# Altium PCB main.PcbDoc (continued)
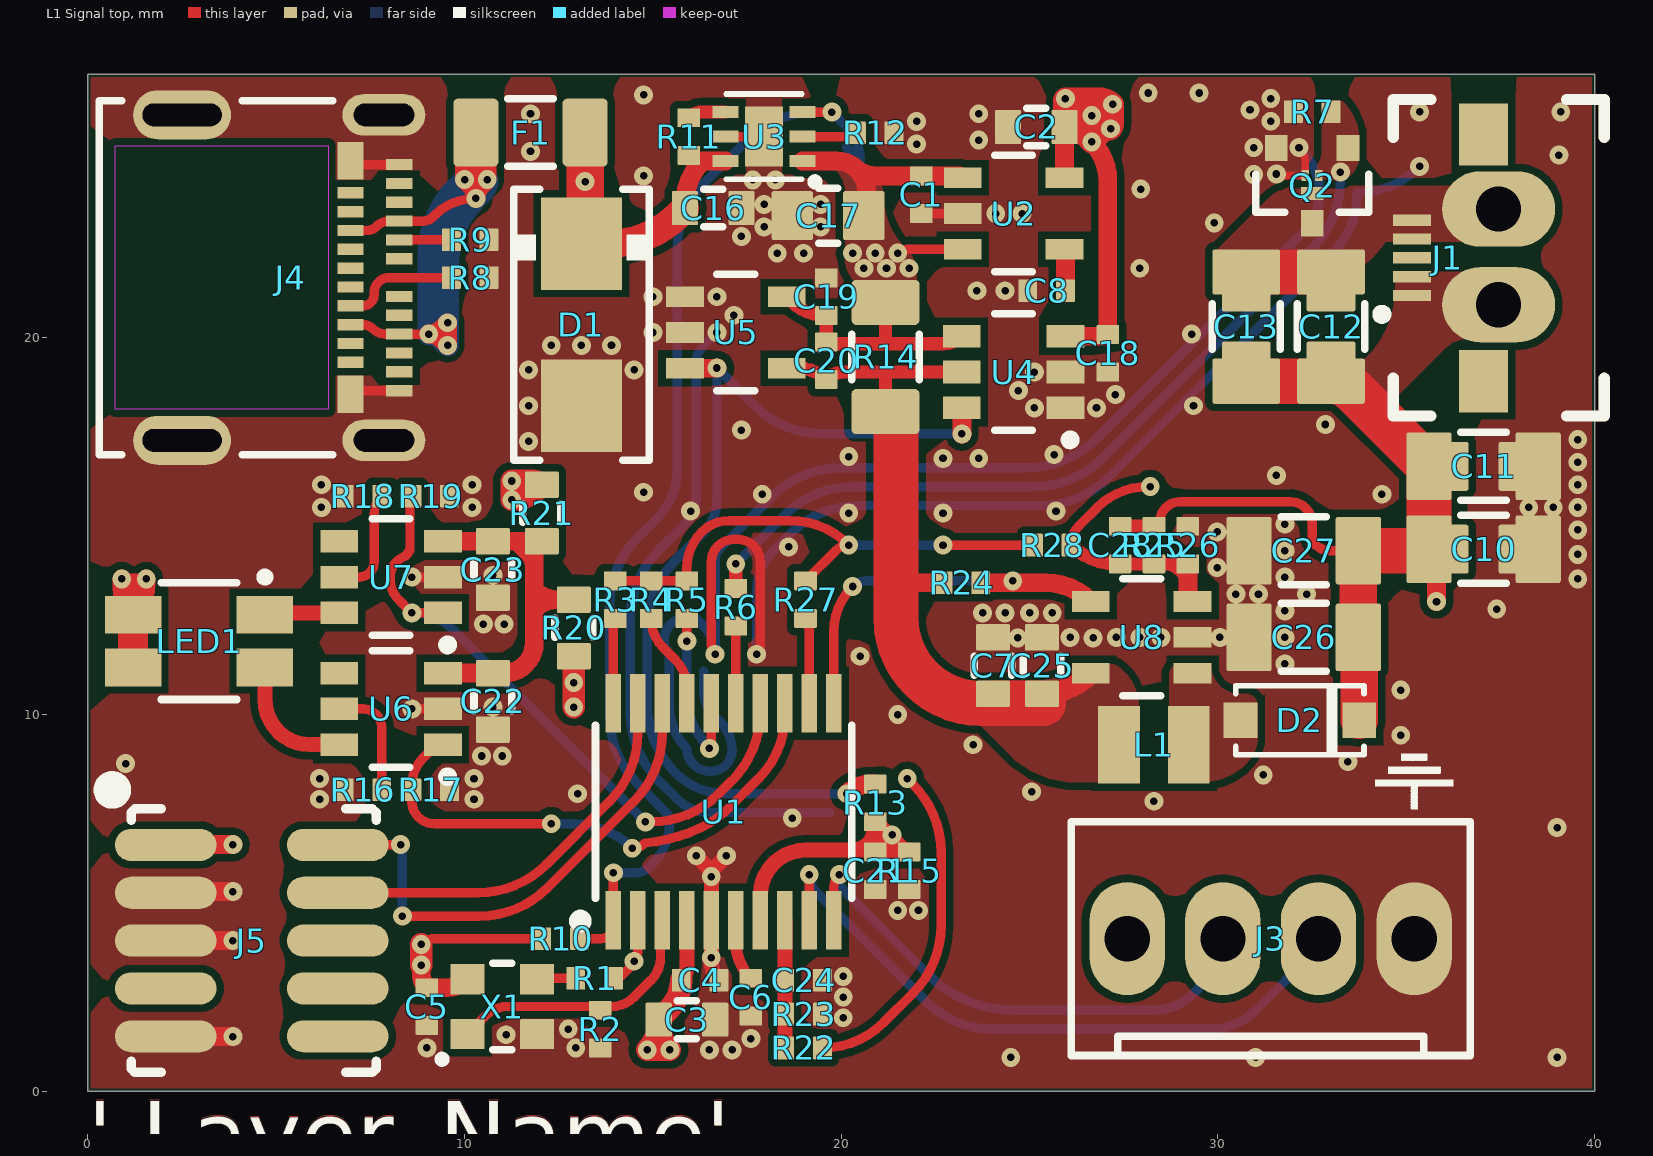
[diagram p0: L1 Signal top view]
## Part data
C1 C4 C5 C6 C18 C19 C24: library part CAPACITOR_0402, "Capacitor SMT 0402", Device Package="0402 (1005 Metric)", Manufacturer=Murata, Part Number=GRM155R71H104KE14D, Tolerance=10%, Voltage - Rated=10V, Distributor link 1=https://www.digikey.com/en/products/detail/murata-electronics/GRM155R71H104KE14D/4906220, Mounting Type=SMT, Size / Dimension="0.039\" L x 0.020\" W (1.00mm x 0.50mm)"
C2 C3 C7 C22 C23 C25: library part CAPACITOR_0603, "Capacitor SMT 0603", Device Package="0603 (1608 Metric)", Manufacturer=Samsung, Part Number=CL10A225KP8NNNC, Tolerance=10%, Voltage - Rated=10V, Distributor link 1=https://www.digikey.com/en/products/detail/samsung-electro-mechanics/CL10A225KP8NNNC/3886743, Mounting Type=SMT, Size / Dimension="0.063\" L x 0.031\" W (1.60mm x 0.80mm)"
C8 C20: library part CAPACITOR_0402, "Capacitor SMT 0402", Device Package="0402 (1005 Metric)", Manufacturer=Murata, Tolerance=10%, Voltage - Rated=10V, Mounting Type=SMT, Size / Dimension="0.039\" L x 0.020\" W (1.00mm x 0.50mm)"
  C8: Distributor link 1=https://www.digikey.com/en/products/detail/murata-electronics/GRM155R71H104KE14D/4906220
C10 C11 C12 C13: library part CAPACITOR_1206, "Capacitor SMT 1206", Device Package="1206 (3216 Metric)", Mounting Type=SMT, Size / Dimension="0.126\" L x 0.063\" W (3.20mm x 1.60mm)"
C16: library part CAPACITOR_0603, "Capacitor SMT 0603", Device Package="0603 (1608 Metric)", Tolerance=10%, Voltage - Rated=50V, Mounting Type=SMT, Size / Dimension="0.063\" L x 0.031\" W (1.60mm x 0.80mm)"
C17: library part CAPACITOR_0805, "Capacitor SMT 0805", Device Package="0805 (2012 Metric)", Manufacturer=Samsung, Part Number=CL21A226MOCLRNC, Tolerance=20%, Voltage - Rated=16V, Distributor link 1=https://www.digikey.com/en/products/detail/samsung-electro-mechanics/CL21A226MOCLRNC/5961264, Mounting Type=SMT, Size / Dimension="0.079\" L x 0.049\" W (2.00mm x 1.25mm)", Thickness (Max)=0.95mm
C21: library part CAPACITOR_0402, "Capacitor SMT 0402", Device Package="0402 (1005 Metric)", Tolerance=10%, Voltage - Rated=10V, Mounting Type=SMT, Size / Dimension="0.039\" L x 0.020\" W (1.00mm x 0.50mm)"
C26 C27: library part CAPACITOR_1206, "Capacitor SMT 1206", Device Package="1206 (3216 Metric)", Manufacturer=TDK, Part Number=C3216X5R1H106K160AB, Tolerance=10%, Voltage - Rated=50V, Distributor link 1=https://www.digikey.com/en/products/detail/tdk-corporation/C3216X5R1H106K160AB/2443476, Mounting Type=SMT, Size / Dimension="0.126\" L x 0.063\" W (3.20mm x 1.60mm)"
C28: library part CAPACITOR_0402, "Capacitor SMT 0402", Device Package="0402 (1005 Metric)", Manufacturer=Murata, Tolerance=10%, Voltage - Rated=50V, Mounting Type=SMT, Size / Dimension="0.039\" L x 0.020\" W (1.00mm x 0.50mm)"
D1: library part DIODE_TVS_GENERIC, "Generic TVS Diode", Device Package=DO-214AA, Manufacturer=Bourns, Distributor link 1=https://www.digikey.com/en/products/detail/bourns-inc/SMBJ5-0A/2254202, Mounting Type=SMT, Part Number=SMBJ5.0A
D2: library part DIODE_GENERIC, "Diode Generic", Device Package=SOD-123, Distributor link 1=https://www.digikey.com/en/products/detail/on-semiconductor/MBR0540T1G/917967, Mounting Type=SMT, Part Number=MBR0540T1G
F1: library part FUSE_GENERIC, "Generic Fuse", Device Package="1206 (3216 Metric)", Manufacturer="Bel Fuse Inc.", Voltage - Rated="63 VDC", Distributor link 1=https://www.digikey.com/en/products/detail/bel-fuse-inc/C1Q-500/615155, Mounting Type=SMT, Part Number=C1Q500, Size / Dimension="3.20mm x 1.58mm x 0.58mm"
J1: library part CONN_FPC_5PIN, "FPC connector 5-pin generic"
J3: library part CONN_4PIN, "Connector 4-pin generic"
J4: library part CONN_USBC, "USB-C connector", Manufacturer=Molex, Part Number=1054500101, Distributor link 1=https://www.digikey.com/en/products/detail/molex/1054500101/5843890, Mounting Type=SMT
J5: library part CONN_10PIN_SWD_ARM, "10-pin ARM SWD connector for debugging", Manufacturer=Samtec, Part Number=FTSH-105-01-L-DV-K
L1: library part INDUCTOR_GENERIC, "Inductor Generic", Device Package="1008 (2520 Metric)", Manufacturer=TDK, Part Number=MLP2520S100ST0S1, Tolerance=20%, Distributor link 1=https://www.digikey.com/en/products/detail/MLP2520S100ST0S1/445-9507-1-ND/3909680?itemSeq=362222387, Mounting Type=SMT, Size / Dimension="0.098\" L x 0.079\" W (2.50mm x 2.00mm)", Thickness (Max)=1.2mm
LED1: "APB3227 3.2 x 2.7 mm Surface Mount LED Lamp", Device Package=4-SMD, Manufacturer=Kingbright, Link=https://www.kingbrightusa.com/kcpartno.asp?txtPartNo=APB3227, Mounting Type=SMT, Part Number=APB3227
Q2: library part MOSFET_N_GDS, "N-MOSFET SMT", Mounting Type=SMT, Part Number=NX7002BK
R1 R2 R6 R7 R8 R9 R10 R11 R13 R15 R17 R19 R24: library part RESISTOR_0402, "Resistor SMT 0402", Device Package="0402 (1005 Metric)", Tolerance=5%, Mounting Type=SMT, Size / Dimension="0.039\" L x 0.020\" W (1.00mm x 0.50mm)"
R3 R4 R5 R12 R16 R18 R22 R23 R25 R26 R27 R28: library part RESISTOR_0402, "Resistor SMT 0402", Device Package="0402 (1005 Metric)", Tolerance=1%, Mounting Type=SMT, Size / Dimension="0.039\" L x 0.020\" W (1.00mm x 0.50mm)"
R14: library part RESISTOR_1206, "Resistor SMT 1206", Device Package="1206 (3216 Metric)", Mounting Type=SMT, Size / Dimension="0.126\" L x 0.063\" W (3.20mm x 1.60mm)"
R20 R21: library part RESISTOR_0603, "Resistor SMT 0603", Device Package="0603 (1608 Metric)", Mounting Type=SMT, Size / Dimension="0.063\" L x 0.031\" W (1.60mm x 0.80mm)"
TP1 TP2 TP3 TP4 TP5 TP6 TP7: "Testpoint for measuring at the PCB"
U1: "Mainstream Value-Line Arm Cortex-M0+ MCU with 32 Kbytes of of Flash memory memory, 8 Kbytes RAM, 64 MHz CPU, 2x USART, timers, ADC, comm. I/F, 2-3.6V", Manufacturer=STM, Distributor link 1=https://www.digikey.com/en/products/detail/stmicroelectronics/STM32G030F6P6/10326686, Link=https://www.st.com/content/st_com/en/products/microcontrollers-microprocessors/stm32-32-bit-arm-cortex-mcus/stm32-mainstream-mcus/stm32g0-series/stm32g0x0-value-line/stm32g030f6.html, Mounting Type=SMT, Part Number=STM32G030F6
U2: library part TPS799XX, "TPS799 200-mA, Low-Quiescent Current, Ultralow Noise, High-PSRR Low-Dropout Linear / Regulator", Manufacturer=TI, Part Number=TPS79933DDCR‎, Link=https://www.ti.com/product/TPS799, Mounting Type=SMT
U3: "TPS25200 5-V eFuse With Precision Adjustable Current Limit and Overvoltage Clamp", Device Package=WSON6, Manufacturer=TI, Distributor link 1=https://www.digikey.com/en/products/detail/texas-instruments/TPS25200DRVT/4840667, Link=https://www.ti.com/product/TPS25200, Mounting Type=SMT, Part Number=TPS25200
U4: "Low-Cost, SC70, Voltage-Output, High-Side Current-Sense Amplifier (in SC70 or SOT23)", Device Package="SOT23-6 / SC70-5", Manufacturer="Maxim Integrated", Link=https://www.maximintegrated.com/en/products/analog/amplifiers/MAX4073T.html, Mounting Type=SMT, Part Number=MAX4073
U5: "INA183 2.7-V to 26-V, High-Precision Current Sense Amplifier", Device Package=SOT23-5, Manufacturer=TI, Distributor link 1=https://www.digikey.com.au/product-detail/en/texas-instruments/INA183A1IDBVR/296-INA183A1IDBVRTR-ND/13896392, Link=https://www.ti.com/product/INA183, Mounting Type=SMT, Part Number=INA183
U6 U7: "Linear LED Drivers with Single-Wire Digital Interface", Device Package=SOT23-6, Manufacturer=Failchild, Distributor link 1=https://www.digikey.com/en/products/detail/on-semiconductor/FAN5622SX/2509485, Link=https://www.onsemi.com/products/power-management/led-drivers/linear-led-drivers/fan5622sx, Mounting Type=SMT, Package / Case=SOT23-6, Part Number=FAN5622, Thickness (Max)=1.10
U8: "LMR64010 SIMPLE SWITCHER 40Vout, 1A Step-Up Voltage Regulator in SOT-23", Device Package=SOT23-5, Manufacturer=TI, Part Number=LMR64010XMF, Distributor link 1=https://www.digikey.com/en/products/detail/LMR64010XMFX%2fNOPB/296-38771-1-ND/5125873, Link=https://www.ti.com/product/LMR64010, Mounting Type=SMT
X1: library part OSCILLATOR_4PIN_GENERIC, "Oscillator 4-pin Generic with tri-state control"

## Free pads (board coordinates)
  rrect10% 1.3x1.1 smd paste-3: 1(30.75,21.25) 1(33,21.25) 2(30.75,19.35) 2(33,19.35)
  rrect10% 1.1x1.3 smd paste-3: 1(36.1,14.39) 1(36.1,16.59) 2(38,14.39) 2(38,16.59)
  oval 3x2 hole 1.2: 1(37.45,20.88) 2(37.45,23.42)
  rect 0.6x0.35 smd paste-0.05 mask+0: D(32.5,23.83)
  rect 0.2x0.3 smd paste+0 mask+0: G(32.68,24.31) S(32.32,24.31)

## Via types
v1: diameter 0.5, hole 0.2, L1 Signal top to L4 Signal bottom, 211 vias

## Nets (pads, with @x,y where several pads share a name; then routed paths per layer and width w, separated by ;. In a path a pad name is that pad's centre, name@x,y a point inside that pad or via, vN(x,y) a via of type N, cw(c..) or ccw(c..) an arc to the next point about the centre after c; other vN are vias at no path point)
3V3: C2.1 C3.1 C4.1 C5.2 C18.1 J3.1 J5.1 R10.2 R20.2 U1.4 U2.5 U4.3 X1.4 | length 27.1
  L1 Signal top w0.25: v1(8.85,3.9) cw(c9.212,3.538) 9.212,4.05 R10.2
  L1 Signal top w0.4: C4.1 ccw(c15.388,3.312) 15.9,3.312 U1.4
  L1 Signal top w0.5: J5.1 2.064,6.55 v1(3.85,6.55) ; v1(8.85,3.35) 8.85,3.112 ccw(c9.362,3.112) C5.2 9.532,2.75 ccw(c9.532,3.518) X1.4 ; U2.5 C2.1 ; U4.3 26.954,20.042 ccw(c26.954,20.213) C18.1 27.075,24.174 ccw(c25.624,24.174) v1(26.65,25.2)
  L1 Signal top w0.6: v1(8.85,3.35) v1(8.85,3.9) ; v1(12.9,10.2) v1(12.9,10.85) R20.2 ; C4.1 cw(c14.664,2.95) 15.432,2.182 C3.1 C3.1@15.15,1.824 ; C3.1@15.15,1.824 cw(c14.126,1.824) v1(14.85,1.1) v1(15.45,1.1) cw(c16.174,1.824) C3.1@15.15,1.824 ; C2.1@25.925,25.935 ccw(c26.01,26.02) 26.01,25.9 v1(26.65,25.9) 26.894,25.656 ccw(c27.15,25.912) v1(27.15,25.55) ; C2.1@25.925,25.935 25.925,26.29 cw(c26.01,26.29) v1(25.95,26.35) 26.838,26.35 cw(c26.838,25.838) v1(27.2,26.2) 27.2,25.671 cw(c27.029,25.671) v1(27.15,25.55) ; C2.1@25.925,25.935 C2.1 cw(c25.925,24.815) 26.48,25.37 v1(26.65,25.2) 26.894,25.444 cw(c27.15,25.188) v1(27.15,25.55)
5V: C1.1 C17.2 C19.1 C20.2 LED1.3 LED1.4 R14.2 R21.2 R22.2 U2.1 U2.3 U3.1 U4.4 U5.5 | length 55.2
  L1 Signal top w0.25: R22.2 ccw(c19.5,3.443) 21.122,1.822 21.899,2.599 ccw(c20.085,4.413) 22.65,4.413 22.65,6.337 ccw(c20.085,6.337) 21.899,8.151 v1(21.75,8.3) ; v1(21.5,22.25) cw(c21.741,22.009) 21.741,22.35 U2.3
  L1 Signal top w0.35: U5.5 18.661,20.981 ccw(c19.6,21.92) C19.1 C20.2 ccw(c19.721,20.013) 19.721,19.842 21.325,19.842 ; R14.2 21.175,19.992 ccw(c21.325,19.992) 21.325,19.842 ; U4.4 cw(c22.717,20.525) 22.717,19.842 21.325,19.842
  L1 Signal top w0.5: v1(1.55,13.6) v1@1.55,13.495 ; U3.1 19.876,24.694 cw(c19.876,23.904) 20.343,24.541 ; 20.666,23.904 ccw(c19.876,23.904) 20.436,24.461 ; U2.1 ccw(c23.104,24.129) 23.104,24.3 C1.1 20.925,24.3 cw(c20.925,25.123) 20.436,24.461 ; 1.154,13.495 cw(c1.041,13.383) 1.2,13.383 LED1.4 ; 1.154,13.495 cw(c1.154,13.854) v1(0.9,13.6) 0.9,13.374 ccw(c1.924,13.374) LED1.4 ; 1.154,13.495 v1@1.55,13.495 ; LED1.4 ccw(c0.355,13.495) v1@1.55,13.495 ; 20.343,24.541 ccw(c20.925,25.123) 20.436,24.461 ; 20.343,24.541 cw(c19.876,23.904) 20.436,24.461
  L1 Signal top w0.6: v1(11.25,15.7) ccw(c11.25,16.666) 11.933,15.983 R21.2 ccw(c11.809,15.859) 11.809,16.2 v1(11.25,16.2) v1(11.25,15.7)
  L1 Signal top w0.8: LED1.3 LED1.4
  L3 Inner bottom w0.25: v1(21.75,8.3) ccw(c21.267,7.817) 21.267,8.5 16.407,8.5 cw(c16.407,10.207) 15.2,9 cw(c16.045,9.845) 14.85,9.845 14.85,12.287 cw(c17.415,12.287) 15.601,14.101 16.35,14.85 ccw(c15.505,15.695) 16.7,15.695 cw(c17.195,15.695) 16.845,16.045 21.199,20.399 ccw(c19.748,21.85) v1(21.8,21.85)
  L3 Inner bottom w0.5: v1(20.6,21.85) v1(21.2,21.85) v1(21.8,21.85) ; 21,21.55 21.076,21.55 ccw(c21.076,22.574) v1(21.8,21.85) ; 22.1,22.7 22.1,22.574 cw(c21.076,22.574) v1(21.8,21.85)
  other v1: 20.3,22.25 20.9,22.25
5V_SENSE: C7.1 C20.1 C25.1 L1.1 R14.1 R24.1 U4.5 U5.4 U8.5 | length 20.8
  L1 Signal top w0.35: U5.4 18.876,19.192 cw(c18.876,18.168) C20.1 cw(c20.083,18.41) 20.083,19.092 21.275,19.092 ; R14.1 21.175,18.992 cw(c21.275,18.992) 21.275,19.092 ; U4.5 21.275,19.092
  L1 Signal top w0.5: 21.45,13.5 R24.1
  L1 Signal top w0.55: C25.1 ccw(c25.325,12.361) U8.5@26.605,11.08
  L1 Signal top w0.7: C7.1 C25.1
  L1 Signal top w1.2: R14.1 21.45,18.042 21.45,13.5 21.45,12.557 ccw(c23.715,12.557) 23.715,10.292 C25.1@25.37,10.292
ADC_IN0: C21.2 R13.1 R15.2 TP7.1 U1.7 | length 9
  L1 Signal top w0.3: R13.1 cw(c20.9,6.914) 21.071,7.084 v1(21.35,6.805) R15.2
  L1 Signal top w0.4: U1.7 17.85,5.2 cw(c19.05,5.2) 19.05,6.4 20.275,6.4 ; C21.2 ccw(c20.855,6.355) 20.855,6.4 20.275,6.4 ; R13.1 20.9,7.084 20.9,7.025 cw(c20.275,7.025) 20.275,6.4
  L1 Signal top w0.5: R13.1@20.9,7.025 20.9,6.805 ; R15.2 21.35,6.355 ; 20.9,6.805 ccw(c21.35,6.805) 21.35,6.355 ; 20.9,6.805 20.9,6.4 C21.2 21.35,6.355
ADC_IN1: C24.2 R22.1 R23.2 U1.8 | length 3.4
  L1 Signal top w0.4: R22.1 R23.2 C24.2 U1.8
CLOCK: R1.2 TP1.1 U1.2 | length 1.9
  L1 Signal top w0.25: R1.2 ccw(c13.95,3.362) 14.206,3.106 14.4,3.3 ccw(c13.917,3.783) 14.6,3.783 U1.2
  other v1: 14.5,3.45
COIL_PWM: R6.1 U1.15 | length 2.1
  L1 Signal top w0.25: U1.15 R6.1
DCDC_DAC0: R3.1 U1.20 | length 2.3
  L1 Signal top w0.25: U1.20 13.95,12.429 cw(c14.121,12.429) R3.1
DCDC_DAC1: R4.1 U1.17 | length 2.6
  L1 Signal top w0.25: R4.1 ccw(c16.036,12.55) 15.268,11.782 15.6,11.45 cw(c14.876,10.726) 15.9,10.726 U1.17
DCDC_DAC2: R5.1 U1.16 | length 4.8
  L1 Signal top w0.25: v1(15.9,11.95) R5.1 ; v1(16.5,9.1) ccw(c16.379,9.221) 16.55,9.221 U1.16
  L4 Signal bottom w0.25: v1(15.9,11.95) 15.9,10.549 ccw(c17.949,10.549) v1(16.5,9.1)
DCDC_DAC3: R27.1 U1.12 | length 2.3
  L1 Signal top w0.25: R27.1@19,12.55 cw(c18.929,12.479) 19.029,12.479 cw(c18.738,12.188) 19.15,12.188 U1.12
DCDC_EN: R24.2 U1.11 U8.4 | length 10.8
  L1 Signal top w0.25: U1.11 19.8,12.193 cw(c21.507,12.193) v1(20.3,13.4) ; U8.4@26.4,13 U8.4
  L1 Signal top w0.5: R24.2 25.418,13.5 cw(c25.418,11.793) U8.4
  L4 Signal bottom w0.25: v1(20.3,13.4) cw(c20.662,13.038) 20.662,13.55 v1(24.55,13.55)
FAULT: R10.1 TP3.1 U1.1 U3.3 | length 29.9
  L1 Signal top w0.25: R10.1 13.609,4.05 ccw(c13.609,4.409) U1.1@13.967,4.409 ; U1.1 v1(13.95,5.8) ; U3.3 v1(19.75,25.994)
  L4 Signal bottom w0.25: v1(13.95,5.8) 14.538,5.8 ccw(c14.538,6.312) 14.9,5.95 14.984,6.034 ccw(c13.86,7.159) 15.45,7.159 ccw(c15.109,7.159) 15.35,7.4 14.601,8.149 cw(c16.415,9.963) 13.85,9.963 13.85,12.887 cw(c16.415,12.887) 14.601,14.701 15.099,15.199 ccw(c13.767,16.53) 15.65,16.53 15.65,22.41 cw(c18.04,22.41) 16.35,24.1 17.493,25.243 cw(c19.307,23.429) 19.307,25.994 v1(19.75,25.994) 20.111,25.633 cw(c19.172,24.694) TP3.1 TP3.1@20.139,25.055
GND: C1.2 C2.2 C3.2 C4.2 C5.1 C6.2 C7.2 C8.1 C10.1 C11.1 C16.2 C17.1 C18.2 C19.2 C21.1 C22.2 C23.2 C24.1 C25.2 C26.2 C27.2 D1.1 J3.4 J4.A1 J4.A12 J4.B1 J4.B12 J4.S1 J4.S2 J4.S3 J4.S4 J5.3 J5.5 J5.9 pad.2@38,14.39 pad.2@38,16.59 pad.S Q2.S R2.1 R7.1 R8.1 R9.1 R12.1 R15.1 R16.2 R17.1 R18.2 R19.1 R23.1 R26.2 U1.5 U2.2 U3.5 U3.7 U4.1 U4.2 U5.1 U5.2 U6.2 U7.2 U8.2 X1.2 | length 100.2
  L1 Signal top w0.2: v1(31.55,24.35) ccw(c31.59,24.35) 31.59,24.31 pad.S 32.32,24.64 ccw(c31.74,24.64) v1(32.15,25.05)
  L1 Signal top w0.25: J5.9@2.064,1.45 J5.9 ; J5.3 cw(c2.094,5.27) J5.3@2.094,5.3 ; J4.B1 cw(c7.211,18.259) 7.211,18.6 J4.A12 ; J4.B12 ccw(c7.211,24.941) 7.211,24.6 J4.A1 ; v1(8.6,10.15) U6.2 ; v1(8.6,13.65) U7.2 ; v1(16.65,11.6) cw(c16.891,11.841) 16.55,11.841 16.55,14.05 cw(c17.15,14.05) 17.15,14.65 17.25,14.65 cw(c17.25,14.05) 17.85,14.05 17.85,11.841 cw(c17.509,11.841) v1(17.75,11.6) ; U3.5 U3.7 ; C1.2 U2.2
  L1 Signal top w0.4: v1(16.15,6.25) 16.444,5.956 cw(c16.188,5.7) v1(16.55,5.7) ; C4.2 cw(c17.233,3.433) 16.55,3.433 v1(16.55,3.55) U1.5 v1(16.55,5.7) ; v1(16.95,6.25) 16.656,5.956 ccw(c16.912,5.7) v1(16.55,5.7)
  L1 Signal top w0.5: J5.9@2.064,1.45 v1(3.85,1.45) ; J5.5 v1(3.85,4) ; J5.3@2.094,5.3 v1(3.85,5.3)
  L4 Signal bottom w0.25: 16.35,11.15 16.35,10.604 ccw(c17.204,10.604) 16.6,10 16.782,9.818 cw(c16.014,9.05) 17.1,9.05 cw(c16.55,9.05) 16.55,8.5 16.5,8.5 cw(c16.5,9.1) 15.9,9.1 cw(c17.025,10.225) 15.434,10.225 15.434,11.616 cw(c15.758,11.94) 15.3,11.94 15.3,12 cw(c15.85,12) 15.85,12.55 16.15,12.55 16.332,12.368 cw(c15.564,11.6) v1(16.65,11.6) 16.65,14.098 cw(c17.077,14.098) 16.775,14.4 18.174,15.799 cw(c19.988,13.985) 19.988,16.55 24.937,16.55 ccw(c24.937,19.115) 26.751,17.301 32.276,22.826 ccw(c31.251,23.85) 32.7,23.85 ccw(c31.131,23.85) 32.24,24.96 v1(32.15,25.05) ; v1(16.7,20.142) 16.321,19.764 ccw(c16.735,19.35) 16.15,19.35 16.15,15.774 cw(c15.126,15.774) 15.85,15.05 15.151,14.351 ccw(c16.965,12.537) 14.4,12.537 14.4,10.063 ccw(c16.965,10.063) 15.151,8.249 15.65,7.75 ccw(c16.495,8.595) 16.495,7.4 19.7,7.4 ; v1(17.75,11.6) 17.75,13.264 cw(c19.286,13.264) 18.2,14.35 18.649,14.799 cw(c20.463,12.985) 20.463,15.55 25.287,15.55 ccw(c25.287,18.115) 27.101,16.301 33.028,22.228 ccw(c31.407,23.85) 33.7,23.85 ccw(c33.7,26.144) 35.322,24.522 v1(35.35,24.55)
  other v1: 24.5,0.9 31,0.9 39,0.9 16.5,1.1 17.1,1.1 9,1.15 12.95,1.15 17.6,1.4 11.1,1.5 12.75,1.65 20.05,1.95 20.05,2.5 20.05,3.05 21.5,4.8 22.05,4.8 39,7 18.7,7.25 28.3,7.7 6.15,7.75 10.25,7.75 13,7.9 25.05,7.95 6.15,8.3 10.25,8.3 31.2,8.4 1,8.7 33.45,8.75 10.45,8.9 11,8.9 23.5,9.2 34.85,9.45 21.5,10 10.75,10.2 34.85,10.65 31.775,11.35 20.5,11.55 24.683,12.034 26.685,12.034 26.075,12.05 27.305,12.05 27.925,12.05 28.485,12.05 30.05,12.05 31.775,12.05 10.5,12.4 11.05,12.4 23.75,12.7 24.35,12.7 25,12.7 25.6,12.7 31.775,12.75 37.4,12.8 30.475,13.2 31.075,13.2 32.35,13.2 39.55,13.6 31.775,13.65 10.75,13.7 29.975,13.9 39.55,14.25 31.775,14.35 18.6,14.45 29.975,14.85 39.55,14.9 31.775,15.05 20.2,15.35 22.7,15.35 16,15.4 25.7,15.4 6.2,15.5 10.2,15.5 38.25,15.5 38.9,15.5 39.55,15.5 17.9,15.85 34.35,15.85 14.75,15.9 6.2,16.1 10.2,16.1 39.55,16.1 31.55,16.35 39.55,16.7 22.7,16.8 23.65,16.8 20.2,16.85 25.65,16.9 11.7,17.25 39.55,17.3 17.35,17.55 32.85,17.7 25.125,18.142 26.775,18.142 11.7,18.2 29.35,18.2 27.275,18.492 24.7,18.6 25.125,19.092 11.7,19.15 14.5,19.15 12.3,19.8 13.1,19.8 13.9,19.8 29.3,20.1 15,20.142 17.15,20.6 15,21.092 16.7,21.092 23.6,21.25 24.35,21.25 27.922,21.846 18.3,22.244 19,22.244 17.35,22.694 17.95,22.944 19.45,22.944 29.9,23.05 24.1,23.3 24.8,23.3 17.95,23.544 19.45,23.544 27.95,23.95 17.65,24.194 18.25,24.194 14.75,24.3 30.95,24.34 39.05,24.85 11.75,24.95 30.95,25.05 22,25.144 23.65,25.25 22,25.744 31.4,25.75 11.75,25.95 23.65,25.95 35.35,26 39.1,26 30.85,26.05 31.4,26.35 14.75,26.45 28.15,26.5 29.5,26.5
LED_G: R19.2 U1.14 U7.1 | length 18
  L1 Signal top w0.25: R19.2 ccw(c8.721,15.679) 8.55,15.679 8.55,14.421 cw(c8.379,14.421) 8.5,14.3 cw(c8.277,14.413) 8.374,14.182 ccw(c8.6,13.65) 8.025,13.586 ccw(c8.777,13.586) 8.246,13.054 v1(8.6,12.7) U7.1 ; v1(14.8,7.15) 14.937,7.15 ccw(c14.937,9.715) 16.751,7.901 17.099,8.249 ccw(c15.285,10.063) U1.14@17.85,10.063 ; U1.14@17.85,9.766 U1.14@17.85,10.063 ; U1.14 U1.14@17.85,10.063
  L4 Signal bottom w0.25: v1(8.6,12.7) cw(c8.6,11.131) 9.71,12.24 v1(14.8,7.15)
LED_R: R17.2 U1.13 U6.1 | length 14.7
  L1 Signal top w0.25: U6.1 ccw(c9.425,8.778) 9.126,9.076 8.9,8.85 ccw(c9.624,8.126) 8.6,8.126 R17.2 8.6,7.7 ccw(c9.2,7.7) 9.2,7.1 v1(12.3,7.1) ; v1(14.45,6.45) ccw(c14.45,6.923) 14.785,6.589 ccw(c14.357,11.046) 16.269,6.997 ccw(c15.096,9.481) 17.041,7.541 17.812,8.312 ccw(c16.152,9.972) U1.13@18.5,9.972 ; U1.13@18.5,9.645 U1.13@18.5,9.972 ; U1.13 U1.13@18.5,9.972
  L4 Signal bottom w0.25: v1(12.3,7.1) 12.881,7.1 cw(c12.881,4.881) v1(14.45,6.45)
NetC6_1: C6.1 U1.6 | length 1.6
  L1 Signal top w0.3: U1.6 17.2,3.966 ccw(c18.566,3.966) C6.1
NetC8_2: C8.2 U2.4 | length 1.1
  L1 Signal top w0.5: U2.4 cw(c25.865,22.29) 25.95,22.29 C8.2
NetC12_1: C12.1 C13.1 J1.4 J1.5 pad.1@30.75,21.25 pad.1@33,21.25 pad.2@37.45,23.42 pad.D Q2.D | length 2.3
  L1 Signal top w1.2: C13.1 C12.1
NetC22_1: C22.1 C23.1 R20.1 R21.1 U6.3 U7.3 | length 10.9
  L1 Signal top w0.5: U6.3 C22.1 11.05,11.1 ccw(c11.05,11.9) 11.85,11.9 11.85,12.8 ; U7.3 C23.1 11.4,14.6 ; R21.1 R21.1@11.95,14.6 ; R20.1 R20.1@12.454,13.05 ; 11.4,14.6 11.709,14.291 cw(c11.367,13.95) 11.85,13.95 ; 11.4,14.6 R21.1@11.95,14.6 ; 11.85,12.8 cw(c12.454,12.196) R20.1@12.454,13.05 ; 11.85,12.8 11.85,13.3 ; 11.85,13.3 ccw(c12.454,13.904) R20.1@12.454,13.05 ; 11.85,13.3 11.85,13.95 ; 11.85,13.95 11.85,14.5 R21.1@11.95,14.6
NetC28_2: C28.2 R25.1 R26.1 R28.2 TP6.1 U8.3 | length 8.2
  L1 Signal top w0.25: R28.2 cw(c26.824,14.5) 26.312,15.012 26.8,15.5 cw(c28.128,14.172) 28.128,16.05 v1(28.2,16.05)
  L1 Signal top w0.3: R25.1 28.502,14 cw(c28.502,13.302) 29.2,13.302
  L1 Signal top w0.35: R28.2 ccw(c27.307,15.707) 27.307,14 C28.2 R25.1 ; R25.1@28.502,14 R26.1
  L1 Signal top w0.5: R26.1 29.2,13.302 ccw(c29.627,13.302) U8.3
NetD2_1: D2.1 L1.2 U8.1
NetF1_1: F1.1 J4.A4 J4.A9 J4.B4 J4.B9 | length 24
  L1 Signal top w0.25: J4.B4 7.309,20.35 cw(c7.309,20.009) 7.55,20.25 ccw(c7.912,20.612) 7.912,20.1 J4.A9 v1(9.05,20.1) ; J4.B9 7.409,22.85 ccw(c7.409,23.191) 7.65,22.95 cw(c8.012,22.588) 8.012,23.1 J4.A4 8.909,23.1 ccw(c8.909,23.441) 9.15,23.2 9.19,23.24 cw(c10.3,22.131) v1(10.3,23.7) 10.3,24.2 F1.1
  L1 Signal top w0.5: v1(10,24.2) 10,24.726 cw(c11.024,24.726) F1.1 cw(c9.576,24.726) 10.6,24.726 v1(10.6,24.2) ; v1(10,24.2) 10.3,24.2 v1(10.6,24.2) ; v1(10,24.2) 10.159,24.041 cw(c9.817,23.7) v1(10.3,23.7) cw(c10.783,23.7) 10.441,24.041 v1(10.6,24.2) ; v1(9.05,20.1) ccw(c9.05,20.583) 9.391,20.241 v1(9.55,20.4) v1(9.55,19.8) 9.391,19.959 ccw(c9.05,19.617) v1(9.05,20.1)
  L4 Signal bottom w0.6: v1(9.05,20.1) cw(c9.05,19.617) 9.391,19.959 v1(9.55,19.8) v1(9.55,20.4) 9.55,21.898 cw(c12.09,21.898) 10.294,23.694 v1(10.3,23.7) 10.459,23.859 ccw(c10.117,24.2) v1(10.6,24.2) v1(10,24.2) 9.794,23.994 ccw(c11.59,22.198) 9.05,22.198 v1(9.05,20.1)
NetJ4_A5: J4.A5 R9.2 | length 1.4
  L1 Signal top w0.25: J4.A5 R9.2
NetJ4_B5: J4.B5 R8.2 | length 3.1
  L1 Signal top w0.25: J4.B5 7.3,20.85 ccw(c7.3,21.15) 7.6,21.15 7.6,21.2 cw(c8,21.2) 8,21.6 R8.2
NetLED1_1: LED1.1 U7.6 | length 2
  L1 Signal top w0.4: LED1.1 cw(c4.821,12.529) 4.821,12.7 U7.6
NetLED1_2: LED1.2 U6.6 | length 3.5
  L1 Signal top w0.4: LED1.2 4.7,10.4 ccw(c5.9,10.4) 5.9,9.2 U6.6
NetQ2_G: pad.G Q2.G R6.2 R7.2 TP2.1 | length 21.4
  L1 Signal top w0.35: R6.2 v1(17.2,14)
  L4 Signal bottom w0.25: v1(17.2,14) 18.499,15.299 cw(c20.313,13.485) 20.313,16.05 25.112,16.05 ccw(c25.112,18.615) 26.926,16.801 32.499,22.374 ccw(c30.685,24.188) 33.25,24.188 v1(33.25,24.4)
NetR1_1: R1.1 X1.3 | length 1
  L1 Signal top w0.25: X1.3 11.95,3 R1.1
NetR2_2: R2.2 U1.3 X1.1 | length 7.1
  L1 Signal top w0.25: X1.1 10.553,2.003 cw(c11.15,1.405) 11.15,2.25 13.6,2.25 13.896,2.25 ccw(c13.896,3.104) 14.5,2.5 14.953,2.953 ccw(c14.355,3.55) 15.2,3.55 15.2,4.419 cw(c15.371,4.419) U1.3
  L1 Signal top w0.5: R2.2 R2.2@13.649,2.15
NetR3_2: R3.2 R4.2 R5.2 R27.2 R28.1 | length 13.9
  L1 Signal top w0.25: R3.2 R4.2 R5.2 15.9,13.884 cw(c17.266,13.884) 16.3,14.85 cw(c17.024,14.126) 17.024,15.15 18.631,15.15 cw(c18.631,12.931) v1(20.2,14.5) ccw(c20.2,14.017) 19.859,14.359 R27.2 ; v1(22.7,14.5) R28.1
  L4 Signal bottom w0.25: v1(20.2,14.5) v1(22.7,14.5)
NetR11_1: R11.1 U3.4 | length 1
  L1 Signal top w0.35: R11.1 cw(c16.312,25.482) 16.312,25.994 U3.4
NetR12_2: R12.2 U3.2 | length 1.5
  L1 Signal top w0.25: U3.2 20.159,25.344 ccw(c20.159,25.685) R12.2
NetR13_2: R13.2 U4.6 U5.3 | length 25.7
  L1 Signal top w0.5: U5.3 16.692,19.192 v1(16.7,19.2) ; v1(20.15,7.9) cw(c20.766,7.284) 20.766,8.155 R13.2 ; v1(23.2,17.45) U4.6
  L4 Signal bottom w0.25: v1(20.15,7.9) 16.928,7.9 cw(c16.928,9.778) 15.6,8.45 cw(c17.411,10.261) 14.85,10.261 14.85,12.287 cw(c17.415,12.287) 15.601,14.101 16.35,14.85 ccw(c15.505,15.695) 16.7,15.695 v1(16.7,19.2) 17.699,18.201 ccw(c19.513,20.015) 19.513,17.45 v1(23.2,17.45)
NetR16_1: R16.1 U6.5 | length 3.1
  L1 Signal top w0.25: U6.5 7.3,10.15 cw(c7.3,9.65) 7.8,9.65 R16.1
NetR18_1: R18.1 U7.5 | length 3
  L1 Signal top w0.25: U7.5 7.2,13.65 ccw(c7.2,14.05) 7.6,14.05 7.6,15.317 cw(c8.283,15.317) R18.1
SWCLK: J5.4 U1.19 | length 11.4
  L1 Signal top w0.25: J5.4@6.117,5.27 J5.4 10.357,5.27 ccw(c10.357,7.835) 12.171,6.021 13.849,7.699 ccw(c12.035,9.513) 14.6,9.513 U1.19
SWDIO: J5.2 U1.18 | length 13.8
  L1 Signal top w0.25: J5.2@6.56,6.54 J5.2 8.276,6.54 ccw(c8.276,6.574) v1(8.3,6.55) ; v1(8.35,4.65) 10.387,4.65 ccw(c10.387,7.215) 12.201,5.401 14.499,7.699 ccw(c12.685,9.513) 15.25,9.513 U1.18
  L4 Signal bottom w0.25: v1(8.3,6.55) cw(c8.179,6.429) 8.35,6.429 v1(8.35,4.65)
UART1_RX: J3.2 U1.10 | length 14.1
  L1 Signal top w0.25: U1.10 19.8,5.388 cw(c20.312,5.388) v1(19.95,5.75)
  L4 Signal bottom w0.25: v1@19.992,5.708 v1(19.95,5.75) 19.95,5.509 ccw(c20.093,5.509) 19.992,5.408 22.294,3.106 ccw(c24.602,5.414) 24.602,2.15 28.288,2.15 ccw(c28.288,3.628) 29.333,2.583 29.656,2.906 ccw(c28.512,4.05) J3.2
UART1_TX: J3.3 U1.9 | length 18.1
  L1 Signal top w0.25: U1.9 v1(19.15,5.75)
  L4 Signal bottom w0.25: v1@19.185,5.665 cw(c19.271,5.75) v1(19.15,5.75) ccw(c19.813,5.75) 19.344,5.281 22.231,2.394 ccw(c24.027,4.19) 24.027,1.65 29.793,1.65 ccw(c29.793,3.357) 31,2.15 32.507,3.657 ccw(c32.115,4.05) J3.3 cw(c31.994,4.05) J3.3@32.472,3.572
VCOIL: C10.2 C11.2 C12.2 C13.2 C26.1 C27.1 C28.1 D2.2 J1.1 J1.2 pad.1@36.1,14.39 pad.1@36.1,16.59 pad.1@37.45,20.88 pad.2@30.75,19.35 pad.2@33,19.35 R25.2 TP5.1 | length 23.1
  L1 Signal top w0.25: R25.2@28.453,15.108 cw(c28.996,15.108) 28.996,15.65 31.917,15.65 cw(c31.917,15.067) 32.5,15.067 32.5,14.741 ccw(c32.841,14.741) 32.6,14.5 ccw(c32.962,14.862) 32.962,14.35 C27.1
  L1 Signal top w0.35: C28.1 R25.2
  L1 Signal top w0.5: C10.2@35.504,14.35 cw(c34.791,13.636) 35.8,13.636 v1(35.8,13)
  L1 Signal top w1: C27.1 C26.1 cw(c33.664,11.989) 33.75,11.989 D2.2 ; C10.2@35.504,14.35 ccw(c35.504,14.485) C10.2
  L1 Signal top w1.2: C13.2 C12.2 cw(c33,18.03) C12.2@33.58,18.61 ; C12.2@33.58,18.61 C11.2 C10.2 ; C27.1 C10.2@35.504,14.35
VUSB: C16.1 D1.2 F1.2 R11.2 TP4.1 U3.6 | length 10.3
  L1 Signal top w0.5: C16.1 15.85,23.578 cw(c17.428,23.578) 16.312,24.694 ; R11.2 ccw(c16.312,25.206) 16.312,24.694 ; U3.6 16.312,24.694 ; D1.2 ccw(c12.859,22.741) 13.2,22.741 cw(c12.859,22.741) D1.2
  L1 Signal top w0.75: D1.2 13.843,22.5 ccw(c13.843,25.065) 15.657,23.251 C16.1
  L1 Signal top w1: D1.2@13.2,22.741 v1(13.2,24.15) F1.2
  L4 Signal bottom w0.5: TP4.1 v1(13.2,24.15)
pads on no net: J1. J1.3 J4.A2 J4.A3 J4.A6 J4.A7 J4.A8 J4.A10 J4.A11 J4.B2 J4.B3 J4.B6 J4.B7 J4.B8 J4.B10 J4.B11 J5.6 J5.7 J5.8 J5.10 U6.4 U7.4

## Polygon pours and split planes (outlines as drawn)
GND on L1 Signal top "GND_L01_P014" (solid, remove dead copper, pour order 14): 0,27 40,27 40,0 0,0
NetQ2_G on L1 Signal top "NETQ2_G_L01_P013" (solid, pour order 13): 32.755,24.182 33.143,24.182 ccw(c33.143,24.757) 33.55,24.35 ccw(c33.067,24.833) 33.75,24.833 33.75,25.214 ccw(c32.214,25.214) 33.3,26.3 32.871,26.3 ccw(c32.871,26.129) 32.75,26.25 32.75,24.912 cw(c32.238,24.912) 32.6,24.55 ccw(c33.109,24.55) 32.749,24.19 32.758,24.181
VCOIL on L1 Signal top "VCOIL_L01_P011" (solid, pour order 11): 33.85,19.4 33.949,19.499 ccw(c32.135,21.313) 34.7,21.313 34.7,21.75 36.8,21.75 36.8,20 ccw(c36.8,18.793) 35.946,19.646 34.277,17.977 cw(c33.85,18.404) 33.85,17.8
NetC12_1 on L1 Signal top "NETC12_1_L01_P009" (solid, remove dead copper, pour order 9): 32.18,24.04 38.25,24.04 38.25,22.55 34.7,22.55 34.45,22.55 cw(c32.378,23.888) 32.897,21.477 29.925,21.477 29.925,22.3 31.301,23.676 cw(c32.18,22.797)
5V on L1 Signal top "5V_L01_P008" (solid, pour order 8): 20.46,21.4 22,21.4 22,21.726 ccw(c21.117,21.726) 21.741,22.35 21.72,22.371 cw(c23.192,23.844) 21.11,23.844 ccw(c20.531,23.844) 20.94,24.254 20.5,24.694 ccw(c20.228,23.668) 19.695,24.585 cw(c19.151,23.787) 20.1,23.967 20.1,22.096 ccw(c20.953,22.096)
5V_SENSE on L1 Signal top "5V_SENSE_L01_P007" (solid, pour order 7): 27.9,10.2 ccw(c26.572,10.2) 27.511,11.139 27.45,11.2 ccw(c27.088,10.838) 27.088,11.35 26.25,11.35 cw(c25.164,12.436) 25.164,10.9 23.65,10.9 23.65,9.75 24.456,8.944 ccw(c26.252,10.74) 26.252,8.2 27.9,8.2
NetD2_1 on L1 Signal top "NETD2_1_L01_P006" (solid, pour order 6): 29.8,11.35 ccw(c30.6,11.35) 30.6,10.55 30.75,10.55 cw(c30.75,10.25) 31.05,10.25 31.05,9.424 cw(c30.026,9.424) 30.75,8.7 30.745,8.695 cw(c29.55,9.89) 29.55,8.2 29.444,8.306 cw(c31.24,10.102) 28.7,10.102 28.7,11.05 cw(c29,11.05) 29,11.35
3V3 on L3 Inner bottom "3V3_L03_P017" (solid, remove dead copper, pour order 17): 40,27 40,0 0,0 0,11.5 15.313,11.5 24.495,20.681 24.495,27
5V on L3 Inner bottom "5V_L03_P016" (solid, remove dead copper, pour order 16): 21.35,21.55 22.155,22.355 23.65,23.85 23.65,27 0,27 0,12 11.8,12
GND on L2 Inner top "GND_L02_P012" (solid, remove dead copper, pour order 12): 0,27 40,27 40,0 0,0
GND on L4 Signal bottom "GND_L04_P015" (solid, remove dead copper, pour order 15): 0,27 40,27 40,0 0,0

## Other copper
L1 Signal top:
  text "'.Layer_Name'" at 0.003,-2.552 h3
L2 Inner top:
  text "'.Layer_Name'" at 0.003,-2.584 h3
L3 Inner bottom:
  text "'.Layer_Name'" at 0.003,-2.982 h3
L4 Signal bottom:
  text "'.Layer_Name'" at 0.003,-2.552 h3

## Silkscreen, mask and mechanical layers (free items; w line width, h text height)
Top Overlay:
  drawing of 3 lines, arcs and shapes, not listed
  text "'.Layer_Name'" at 0.003,-2.584 h3
Bottom Overlay:
  text "04/2021" at 2.328,7.25 h2 r270
  text "Wireless charger TX rev.A" at 4.248,7.2 h2 r270
  text "Mikolaj Stawiski" at 37.448,6.148 h2
  text "'.Layer_Name'" at 0.003,-2.584 h3
Top Paste:
  text "'.Layer_Name'" at 0.003,-2.584 h3
Bottom Paste:
  text "'.Layer_Name'" at 0.003,-2.982 h3
Top Solder:
  region: 32.85,24.48 32.15,24.48 32.15,23.6 32.85,23.6
  text "'.Layer_Name'" at 0.003,-2.584 h3
Bottom Solder:
  text "'.Layer_Name'" at 0.003,-2.982 h3
M1 Board Outline:
  the board outline again, w0.2
  text "'.Layer_Name'" at 0.003,-2.982 h3
M2 Router:
  lines w0.1: 1.75,16.98 cw(c1.75,17.28) 1.75,17.58 3.25,17.58 cw(c3.25,17.28) 3.25,16.98 1.75,16.98 ; 1.75,25.62 cw(c1.75,25.92) 1.75,26.22 3.25,26.22 cw(c3.25,25.92) 3.25,25.62 1.75,25.62 ; 7.36,16.98 cw(c7.36,17.28) 7.36,17.58 8.36,17.58 cw(c8.36,17.28) 8.36,16.98 7.36,16.98 ; 7.36,25.62 cw(c7.36,25.92) 7.36,26.22 8.36,26.22 cw(c8.36,25.92) 8.36,25.62 7.36,25.62
  text "'.Layer_Name'" at 0.003,-2.982 h3
Fab Notes (Mech4):
  drawing of 185 lines, arcs and shapes, not listed
  text "Layer" at 1.65,36.016 h1.5
  text "Name" at 7.927,36.016 h1.5
  text "Material" at 20.817,36.016 h1.5
  text "Thickness" at 31.725,36.016 h1.5
  text "Constant" at 40.684,36.016 h1.5
  text "Rigid 4L 1.6mm" at 48.976,36.016 h1.5
  text "Top Overlay" at 7.927,33.016 h1.5
  text "Top Solder" at 7.927,30.016 h1.5
  text "Solder Resist" at 20.817,30.016 h1.5
  text "0.020mm" at 31.725,30.016 h1.5
  text "3.5" at 40.684,30.016 h1.5
  text "1" at 1.65,27.016 h1.5
  text "L1 Signal top" at 7.927,27.016 h1.5
  text "Copper" at 20.817,27.016 h1.5
  text "0.035mm" at 31.725,27.016 h1.5
  text "Dielectric 1" at 7.927,24.016 h1.5
  text "PP-006" at 20.817,24.016 h1.5
  text "0.110mm" at 31.725,24.016 h1.5
  text "4.1" at 40.684,24.016 h1.5
  text "2" at 1.649,21.016 h1.5
  text "L2 Inner top" at 7.927,21.016 h1.5
  text "Copper" at 20.817,21.016 h1.5
  text "0.035mm" at 31.725,21.016 h1.5
  text "Dialectric FR4" at 7.927,18.016 h1.5
  text "FR-4" at 20.817,18.016 h1.5
  text "1.200mm" at 31.725,18.016 h1.5
  text "4.8" at 40.684,18.016 h1.5
  text "3" at 1.65,15.016 h1.5
  text "L3 Inner bottom" at 7.927,15.016 h1.5
  text "Copper" at 20.817,15.016 h1.5
  text "0.035mm" at 31.725,15.016 h1.5
  text "Dielectric 2" at 7.927,12.016 h1.5
  text "PP-006" at 20.817,12.016 h1.5
  text "0.110mm" at 31.725,12.016 h1.5
  text "4.1" at 40.684,12.016 h1.5
  text "4" at 1.65,9.016 h1.5
  text "L4 Signal bottom" at 7.927,9.016 h1.5
  text "Copper" at 20.817,9.016 h1.5
  text "0.035mm" at 31.725,9.016 h1.5
  text "Bottom Solder" at 7.927,6.016 h1.5
  text "Solder Resist" at 20.817,6.016 h1.5
  text "0.020mm" at 31.725,6.016 h1.5
  text "3.5" at 40.684,6.016 h1.5
  text "Bottom Overlay" at 7.927,3.016 h1.5
  text "Total board thickness:" at 1.65,0.016 h1.5
  text "1.600mm" at 31.725,0.016 h1.5
  text "'.Layer_Name'" at 0.003,-2.982 h3
Top 3D Body:
  lines w0.02: 32.18,23.72 32.18,24.36 32.82,24.36 32.82,23.72 32.18,23.72
  lines w0.1: 30.09,19.284 31.41,19.284 31.41,21.316 30.09,21.316 30.09,19.284 ; 32.34,19.284 32.34,21.316 33.66,21.316 33.66,19.284 32.34,19.284 ; 36.034,13.729 36.034,15.05 38.066,15.05 38.066,13.729 36.034,13.729 ; 36.034,15.929 36.034,17.25 38.066,17.25 38.066,15.929 36.034,15.929
  text "'.Layer_Name'" at 0.003,-2.584 h3
Bottom 3D Body:
  text "'.Layer_Name'" at 0.003,-2.584 h3
Top Assembly:
  text "'.Layer_Name'" at 0.003,-2.584 h3
Bottom Assembly:
  text "'.Layer_Name'" at 0.003,-2.584 h3
Drill Drawing:
  circle w0.254: c-7.865,48.829 r0.691
  lines w0.254: -8.556,40.193 -7.174,40.193 -7.865,38.811 -8.556,40.193 ; -8.556,41.92 -7.174,41.92 -7.174,43.302 -8.556,43.302 -8.556,41.92 ; -8.556,45.375 -8.21,45.375 -7.865,45.029 -7.519,45.375 -7.174,45.375 -7.519,45.72 -7.174,46.065 -7.519,46.065 -7.865,46.411 -8.21,46.065 -8.556,46.065 -8.21,45.72 -8.556,45.375
  lines w0.381: -9.81,37.878 127.925,37.878 ; -9.81,50.314 127.925,50.314 ; -1.821,34.77 -1.821,53.423 ; 5.506,34.77 5.506,53.423 ; 19.238,34.77 19.238,53.423 ; 25.433,34.77 25.433,53.423 ; 34.448,34.77 34.448,53.423 ; 55.231,34.77 55.231,53.423 ; 62.62,34.77 62.62,53.423 ; 72.272,34.77 72.272,53.423 ; 87.563,34.77 87.563,53.423 ; 97.257,34.77 97.257,53.423 ; 112.327,34.77 112.327,53.423 ; -9.81,34.77 127.925,34.77 127.925,53.423 -9.81,53.423 -9.81,34.77
  text "Symbol" at -7.944,51.247 h1.8
  text "Count" at -0.888,51.247 h1.8
  text "Hole Size" at 6.439,51.247 h1.8
  text "Plated" at 20.171,51.247 h1.8
  text "Hole Type" at 26.365,51.247 h1.8
  text "Drill Layer Pair" at 35.381,51.247 h1.8
  text "Via/Pad" at 56.163,51.247 h1.8
  text "Pad Shape" at 63.553,51.247 h1.8
  text "Template" at 73.205,51.247 h1.8
  text "Description" at 88.495,51.247 h1.8
  text "Hole Tolerance (+)" at 98.189,51.247 h1.8
  text "Hole Tolerance (-)" at 113.26,51.247 h1.8
  text "2" at -0.888,48.138 h1.5
  text "23.62mil (0.600mm)" at 6.439,48.138 h1.5
  text "PTH" at 20.171,48.138 h1.5
  text "Slot" at 26.365,48.138 h1.5
  text "L1 Signal top - L4 Signal bottom" at 35.381,48.138 h1.5
  text "Pad" at 56.163,48.138 h1.5
  text "Rounded" at 63.553,48.138 h1.5
  text "r220_110h60_160r100" at 73.205,48.138 h1.5
  text "2" at -0.888,45.029 h1.5
  text "23.62mil (0.600mm)" at 6.439,45.029 h1.5
  text "PTH" at 20.171,45.029 h1.5
  text "Slot" at 26.365,45.029 h1.5
  text "L1 Signal top - L4 Signal bottom" at 35.381,45.029 h1.5
  text "Pad" at 56.163,45.029 h1.5
  text "Rounded" at 63.553,45.029 h1.5
  text "r260_130h60_210r100" at 73.205,45.029 h1.5
  text "6" at -0.888,41.92 h1.5
  text "47.24mil (1.200mm)" at 6.439,41.92 h1.5
  text "PTH" at 20.171,41.92 h1.5
  text "Round" at 26.365,41.92 h1.5
  text "L1 Signal top - L4 Signal bottom" at 35.381,41.92 h1.5
  text "Pad" at 56.163,41.92 h1.5
  text "Rounded" at 63.553,41.92 h1.5
  text "r200_300h120r100" at 73.205,41.92 h1.5
  text "211" at -0.888,38.811 h1.5
  text "7.87mil (0.200mm)" at 6.439,38.811 h1.5
  text "PTH" at 20.171,38.811 h1.5
  text "Round" at 26.365,38.811 h1.5
  text "L1 Signal top - L4 Signal bottom" at 35.381,38.811 h1.5
  text "Via" at 56.163,38.811 h1.5
  text "Rounded" at 63.553,38.811 h1.5
  text "v50h20" at 73.205,38.811 h1.5
  text "221 Total" at -0.888,35.702 h1.5
  text "Slot definitions :" at -7.944,33.526 h1.5
  text "Routed Path Length" at 2.286,33.526 h1.5
  text "= Calculated from tool start centre position to tool end centre position." at 14.958,33.526 h1.5
  text "Hole Length" at 2.286,32.282 h1.5
  text "= Routed Path Length + Tool Size = Slot length as defined in the PCB layout" at 10.255,32.282 h1.5